# Altium PCB 六边形挂件.pcbdoc
Units mil, origin at the board's own origin, x right, y up, seen from the top; angles counter-clockwise.
Board outline 1968.5 x 1836.49 mil, 2 copper layers (Top Layer, Bottom Layer); 7 components, 0 nets, 0 pads, 1 vias.
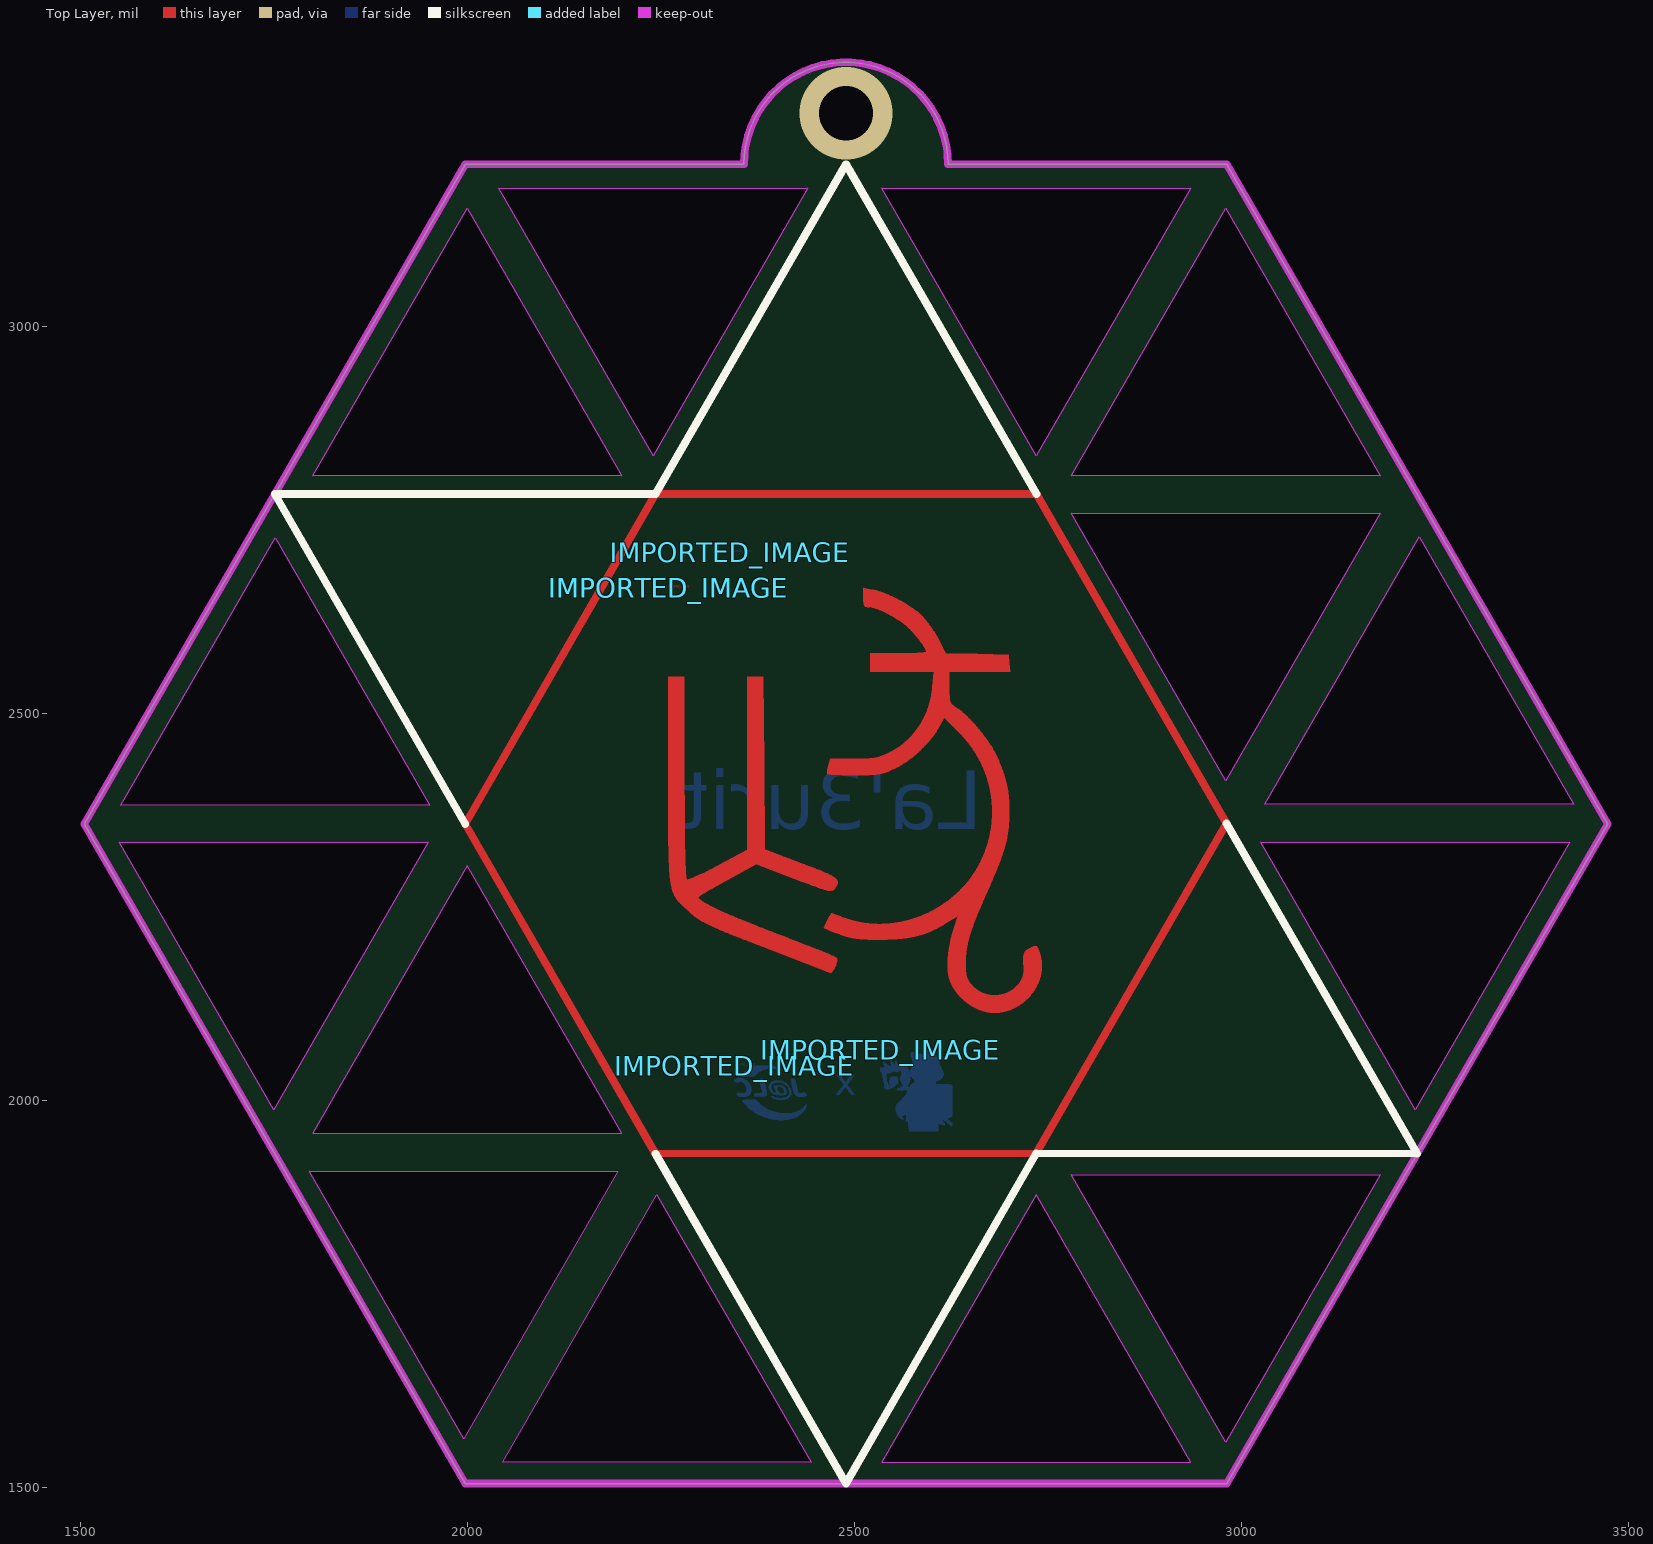
[diagram p0: Top Layer view]
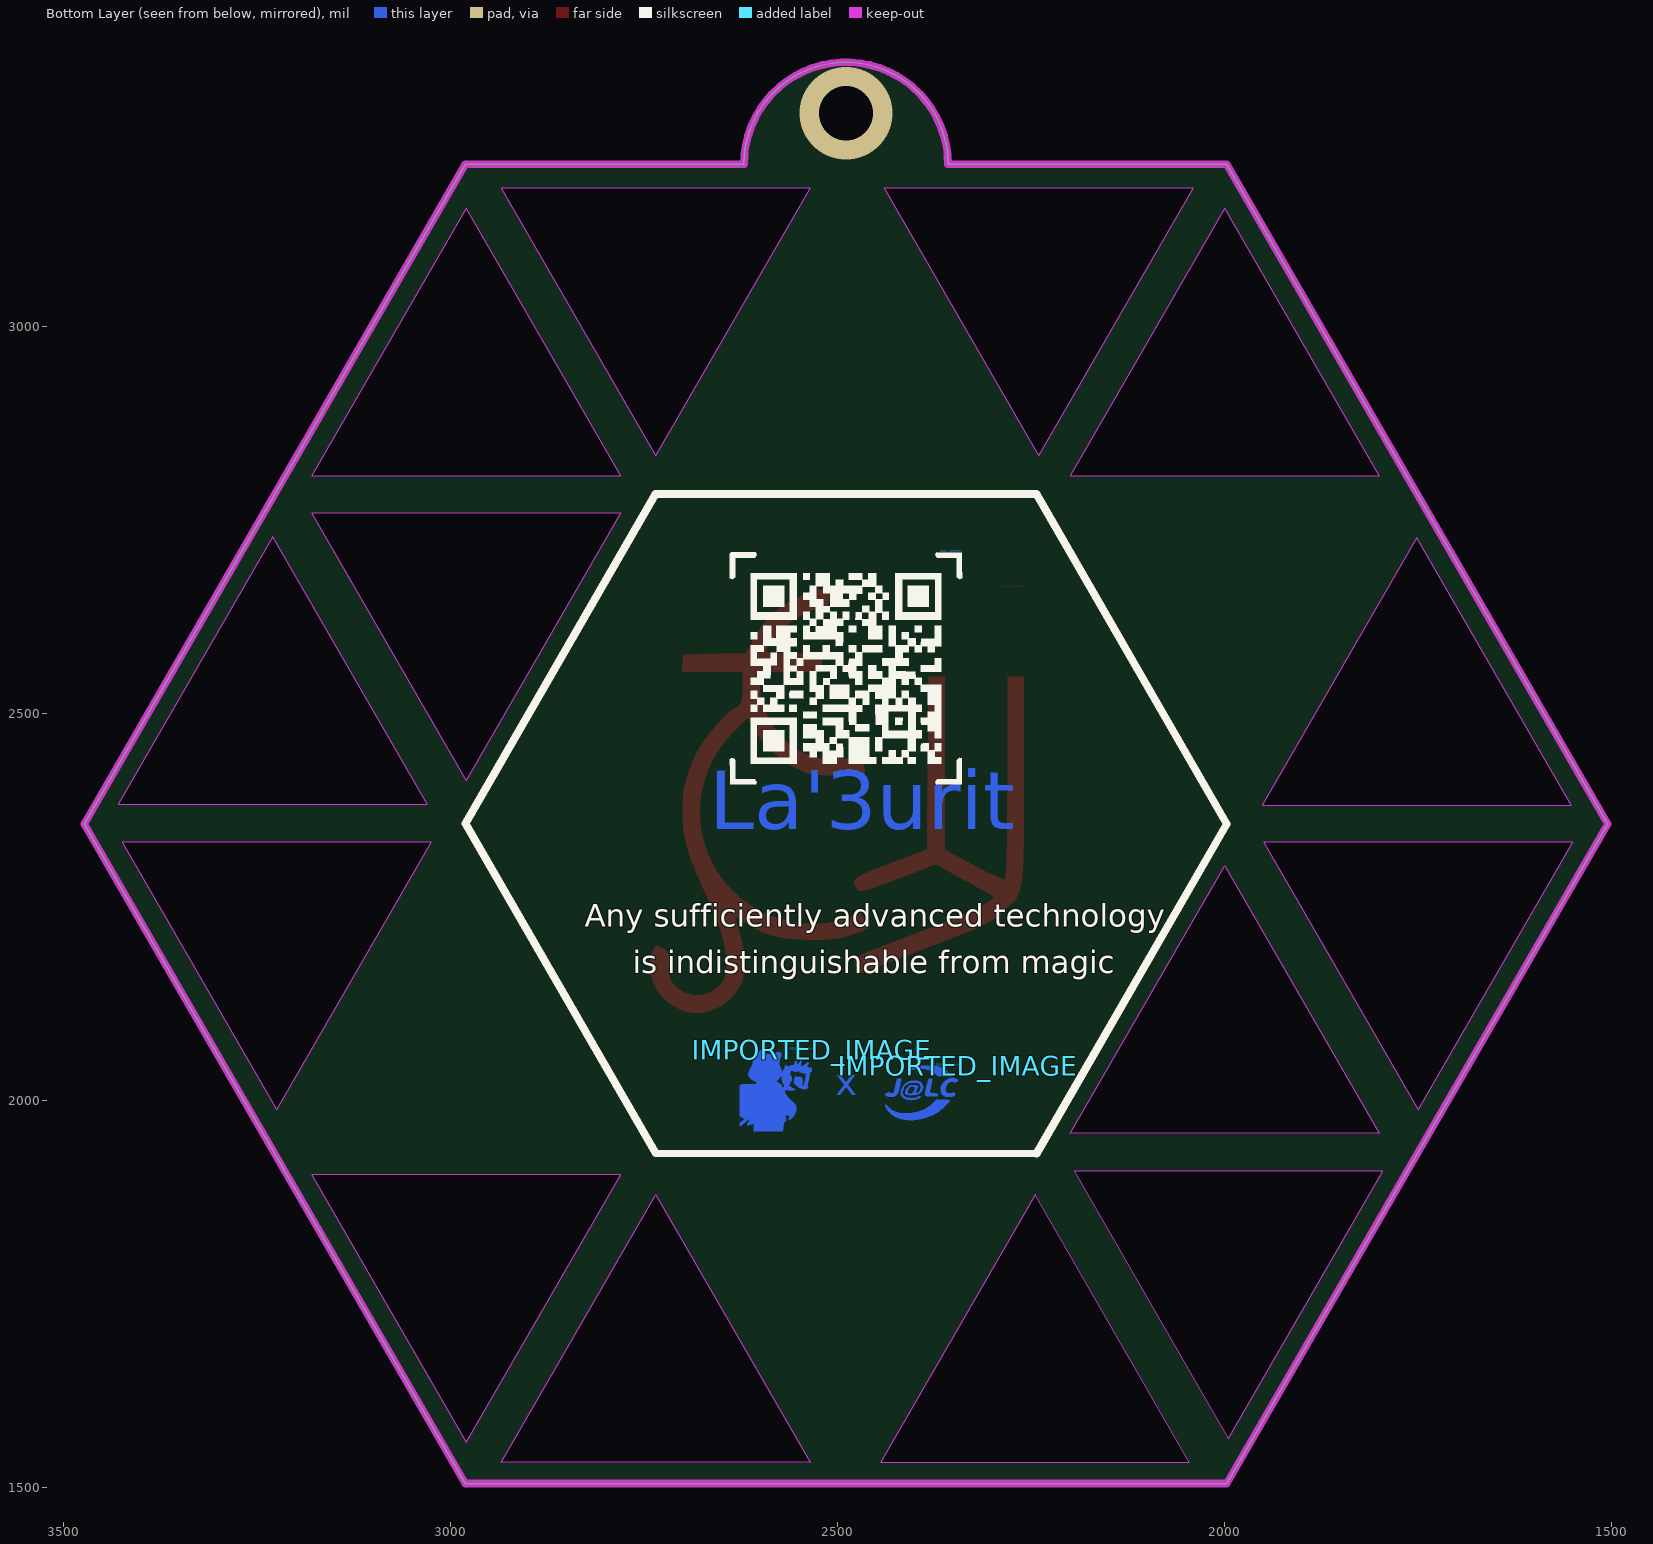
[diagram p1: Bottom Layer view, seen from below]

## Layer stack, top to bottom
Top Solder: solder mask 0.4, Solder Resist, Dk 3.5
Top Layer: signal copper 1.4
Dielectric1: dielectric 12.6, FR-4, Dk 4.8
Bottom Layer: signal copper 1.4
Bottom Solder: solder mask 0.4, Solder Resist, Dk 3.5

## Board outline
1997.13,1505 1505,2357.39 1997.13,3209.77 2357.39,3209.77 cw(c2489.25,3209.77) 2621.12,3209.77 2981.38,3209.77 3473.5,2357.39 2981.38,1505
cut-out: 1552.19,2381.76 1751.74,2727.39 1951.29,2381.76
cut-out: 1750,1988.13 1550.45,2333.77 1949.55,2333.77
cut-out: 1800.45,1957.5 2199.55,1957.5 2000,2303.14
cut-out: 1795.45,1908.77 2194.55,1908.77 1995,1563.13
cut-out: 2045.45,1532.5 2245,1878.13 2444.55,1532.5
cut-out: 2535.45,1532.5 2934.55,1532.5 2735,1878.13
cut-out: 2780.45,1903.77 3179.55,1903.77 2980,1558.13
cut-out: 3025.45,2333.77 3424.55,2333.77 3225,1988.13
cut-out: 3030.45,2382.5 3230,2728.14 3429.55,2382.5
cut-out: 2780.45,2758.77 3179.55,2758.77 2980,2413.14
cut-out: 2780.45,2807.5 2980,3153.14 3179.55,2807.5
cut-out: 2535.45,3178.77 2934.55,3178.77 2735,2833.14
cut-out: 2240,2833.14 2040.45,3178.77 2439.55,3178.77
cut-out: 1800.45,2807.5 2000,3153.14 2199.55,2807.5

## Design rules (kind name [scope] priority, off if disabled: settings)
Clearance [All] p1: gap=10
PolygonConnect [All] p1: connectstyle=Relief reliefconductorwidth=10 reliefentries=4 polygonreliefangle="90 Angle" airgapwidth=10
RoutingVias [All] p1: holewidth=28 width=50 viastyle="Through Hole" minholewidth=28 minwidth=50 maxholewidth=28 maxwidth=50
SolderMaskExpansion [All] p1: expansion=4
Width [All] p1: maxlimit=10 minlimit=10 preferedwidth=10
30 further rules are at their usual default settings.

## Components (designator, comment, footprint, x,y, rotation, side; value= is the part's Value field where it differs from the comment)
IMPORTED_IMAGE "Comment" IMPORTED_IMAGE#1 2259.49,2662.2 r0 top
IMPORTED_IMAGE "Comment" IMPORTED_IMAGE#2 2259.49,2662.2 r0 top
IMPORTED_IMAGE "Comment" IMPORTED_IMAGE#1 2533.6,2065.64 r0 top
IMPORTED_IMAGE "Comment" IMPORTED_IMAGE#1 2345,2045 r0 top
IMPORTED_IMAGE "Comment" IMPORTED_IMAGE#1 2339.19,2708.19 r0 top
IMPORTED_IMAGE "Comment" IMPORTED_IMAGE#3 2345,2045 r0 bottom
IMPORTED_IMAGE "Comment" IMPORTED_IMAGE#4 2533.6,2065.64 r0 bottom

## Footprints (in the part's own frame and the unit in brackets; to place one, negate y for a bottom-side part, rotate by r counter-clockwise, add the part's x,y. Pads: shape width x height; smd on the part's side, far side on the other; paste and mask are expansions set on the pad)
IMPORTED_IMAGE#1 [mil]
IMPORTED_IMAGE#2 [mil]
  Top Layer region: 2195 vertices and 0 holes, not listed, extent 201.21,-549 483,0
  Top Layer region: 394 vertices and 0 holes, not listed, extent 0,-497.2 219.13,-114.54
IMPORTED_IMAGE#3 [mil]
  Top Layer region: 280 vertices and 0 holes, not listed, extent 10.27,43.84 93.64,70.4
  Top Layer region: 326 vertices and 1 holes, not listed, extent 44.28,19.39 73.71,44.43
  Top Layer region: 86.07,40.49 85.24,40.5 84.42,40.46 83.63,40.38 82.88,40.26 82.19,40.09 81.56,39.88 81.01,39.63 80.34,39.23 79.73,38.8 79.17,38.32 78.64,37.77 78.16,37.14 77.7,36.41 77.26,35.56 76.84,34.58 76.43,33.45 76.03,32.16 75.62,30.69 75.2,29.03 74.77,27.15 74.32,25.04 73.83,22.7 73.32,20.09 73.22,19.56 73.14,19.09 73.08,18.68 73.05,18.32 73.04,18.02 73.05,17.75 73.1,17.53 73.18,17.35 73.29,17.2 73.44,17.08 73.63,16.99 73.86,16.93 74.13,16.88 74.44,16.86 74.8,16.84 75.21,16.84 75.72,16.85 76.23,16.9 76.7,16.98 77.14,17.08 77.53,17.21 77.85,17.35 78.09,17.5 78.25,17.67 78.38,18 78.57,18.62 78.81,19.49 79.09,20.59 79.4,21.86 79.72,23.28 80.06,24.81 80.4,26.41 80.57,27.22 80.73,28.02 80.9,28.79 81.07,29.54 81.23,30.27 81.39,30.96 81.54,31.61 81.69,32.22 81.83,32.79 81.96,33.3 82.08,33.76 82.19,34.16 82.29,34.5 82.37,34.77 82.44,34.96 82.5,35.08 82.9,35.44 83.56,35.68 84.38,35.8 85.3,35.81 86.25,35.71 87.14,35.51 87.92,35.2 88.49,34.8 89.09,34.44 89.83,34.45 90.72,34.83 91.8,35.59 92.46,36.15 92.96,36.61 93.27,36.99 93.43,37.33 93.42,37.65 93.26,37.97 92.95,38.32 92.5,38.72 92.02,39.06 91.46,39.36 90.82,39.63 90.12,39.87 89.37,40.07 88.58,40.23 87.75,40.36 86.92,40.44 86.07,40.49
  Top Layer region: 178 vertices and 0 holes, not listed, extent -0.36,15.96 21.95,40.29
  Top Layer region: 29.52,39.74 28.73,39.73 28.39,39.72 28.07,39.7 27.77,39.68 27.51,39.65 27.27,39.61 27.05,39.57 26.85,39.53 26.68,39.47 26.53,39.41 26.39,39.34 26.28,39.27 26.18,39.19 26.02,39 25.92,38.77 25.86,38.51 25.83,38.22 25.82,37.88 25.86,37.28 25.99,36.81 26.25,36.45 26.69,36.19 27.32,36.01 28.2,35.91 29.36,35.85 30.83,35.84 31.78,35.83 32.63,35.79 33.38,35.71 34.02,35.6 34.57,35.45 35.02,35.25 35.38,35 35.64,34.69 35.83,34.32 35.93,33.89 35.95,33.39 35.89,32.81 35.76,32.15 35.57,31.41 35.3,30.58 34.97,29.65 34.78,29.08 34.58,28.34 34.37,27.46 34.16,26.48 33.96,25.41 33.76,24.31 33.59,23.19 33.43,22.09 33.32,21.19 33.22,20.39 33.15,19.71 33.1,19.11 33.07,18.61 33.08,18.18 33.12,17.83 33.19,17.55 33.29,17.32 33.44,17.15 33.62,17.03 33.85,16.94 34.13,16.88 34.45,16.85 34.82,16.84 35.25,16.84 35.96,16.87 36.54,16.99 37.04,17.21 37.45,17.56 37.81,18.05 38.13,18.71 38.43,19.54 38.72,20.59 38.93,21.45 39.18,22.48 39.44,23.62 39.72,24.85 39.99,26.13 40.27,27.41 40.52,28.66 40.76,29.84 40.94,30.78 41.43,33.22 41.57,33.91 41.69,34.56 41.79,35.15 41.87,35.69 41.93,36.18 41.97,36.63 41.99,37.03 41.98,37.4 41.95,37.72 41.88,38.01 41.79,38.27 41.66,38.49 41.5,38.69 41.31,38.85 41.08,39 40.81,39.12 40.5,39.22 40.15,39.3 39.76,39.36 39.33,39.42 38.85,39.46 38.32,39.49 37.74,39.52 37.12,39.54 34.92,39.6 32.71,39.67 31.5,39.71 30.44,39.73 29.52,39.74
  Top Layer region: 16.81,13.84 15.89,13.83 15,13.82 14.14,13.81 13.32,13.78 12.53,13.75 11.79,13.72 11.1,13.68 10.46,13.64 9.88,13.59 9.36,13.54 8.9,13.48 8.52,13.42 8.22,13.36 8,13.29 7.86,13.23 7.81,13.16 8.13,12.52 8.99,11.52 10.26,10.25 11.82,8.84 13.53,7.4 15.27,6.05 16.9,4.89 18.29,4.03 18.97,3.68 19.74,3.3 20.58,2.91 21.46,2.51 22.35,2.13 23.22,1.76 24.06,1.43 24.82,1.14 25.74,0.87 26.94,0.65 28.38,0.45 30.03,0.29 31.84,0.17 33.78,0.08 35.82,0.02 37.91,0 40.03,0.01 42.12,0.06 44.17,0.15 46.13,0.27 47.96,0.42 49.63,0.61 51.1,0.83 52.34,1.09 52.85,1.23 53.37,1.37 53.89,1.51 54.4,1.66 54.91,1.82 55.42,1.98 55.92,2.14 56.41,2.31 56.89,2.48 57.35,2.65 57.81,2.82 58.25,2.99 58.68,3.16 59.09,3.33 59.48,3.5 59.86,3.67 60.21,3.83 60.54,4 60.85,4.15 61.14,4.31 61.39,4.45 61.62,4.6 61.83,4.73 62,4.86 62.14,4.98 62.25,5.09 62.33,5.2 62.37,5.29 62.37,5.38 62.34,5.45 62.26,5.51 62.15,5.57 61.39,5.64 60.19,5.54 58.72,5.29 57.15,4.91 56.21,4.67 55.26,4.46 54.29,4.28 53.3,4.13 52.3,4.02 51.29,3.94 50.27,3.88 49.24,3.86 48.21,3.86 47.18,3.89 46.15,3.95 45.12,4.04 44.09,4.15 43.08,4.29 42.07,4.46 41.07,4.65 40.09,4.87 39.12,5.11 38.17,5.38 37.24,5.67 36.33,5.99 35.45,6.32 34.59,6.68 33.77,7.06 32.97,7.47 32.21,7.89 31.48,8.34 30.8,8.8 30.15,9.28 29.54,9.79 28.98,10.31 28.47,10.85 28.01,11.36 27.58,11.81 27.18,12.2 26.78,12.54 26.38,12.83 25.95,13.07 25.47,13.27 24.94,13.43 24.34,13.56 23.65,13.66 22.86,13.73 21.95,13.78 20.9,13.81 19.71,13.83 18.35,13.83 16.81,13.84
IMPORTED_IMAGE#4 [mil]
  Top Layer region: 738 vertices and 1 holes, not listed, extent 0,-0.29 92.8,105.31

## Via types
v1: diameter 120, hole 70, Top Layer to Bottom Layer, 1 vias

## Nets (pads, with @x,y where several pads share a name; then routed paths per layer and width w, separated by ;. In a path a pad name is that pad's centre, name@x,y a point inside that pad or via, vN(x,y) a via of type N, cw(c..) or ccw(c..) an arc to the next point about the centre after c; other vN are vias at no path point)
copper on no net: | length 2951.8
  Top Layer w10: 1997.13,2357.39 2243.19,2783.58 2735.32,2783.58 2981.06,2357.93 2735,1931.74 2243.19,1931.19 1997.13,2357.39
  other v1: 2489.25,3275.7

## Keep-outs
Keep-Out Layer:
  the board outline again, w10

## Other copper
Bottom Layer:
  text "La'3urit" at 2666.21,2325 h130
  text "x" at 2475,1995 h60

## Silkscreen, mask and mechanical layers (free items; w line width, h text height)
Top Overlay:
  lines w10: 1997.13,2357.39 1751.06,2783.58 2243.19,2783.58 2489.25,3209.77 2735.32,2783.58 ; 2243.19,1931.19 2489.25,1505 2735,1931.74 3227.44,1931.19 2981.06,2357.93
Bottom Overlay:
  lines w10: 1997.13,2357.39 2243.19,2783.58 2735.32,2783.58 2981.06,2357.93 2735,1931.74 2243.19,1931.19 1997.13,2357.39
  text "Any sufficiently advanced technology" at 2826.69,2215 h50
  text "is indistinguishable from magic" at 2764.89,2155 h50
Top Solder:
  lines w10: 1997.13,2357.39 2243.19,1931.19 2735,1931.74 2981.06,2357.93 2735.32,2783.58 2243.19,2783.58 1997.13,2357.39
Bottom Solder:
  text "La'3urit" at 2666.21,2325 h130
  text "x" at 2475,1995 h60
Mechanical 1:
  lines w0.5: 2480,2368.14 2482,2370.14
Document:
  lines w10: 2357.39,3209.77 cw(c2489.25,3209.77) 2621.12,3209.77 ; 2357.39,3209.77 1997.13,3209.77 1505,2357.39 1997.13,1505 2981.38,1505 3473.5,2357.39 2981.38,3209.77 2621.12,3209.77 ; 2357.39,3209.77 2621.12,3209.77 ; 1550.45,2333.77 1949.55,2333.77 1750,1988.13 1550.45,2333.77 ; 1552.19,2381.76 1951.29,2381.76 1751.74,2727.39 1552.19,2381.76 ; 1795.45,1908.77 2194.55,1908.77 1995,1563.13 1795.45,1908.77 ; 1800.45,1957.5 2199.55,1957.5 2000,2303.14 1800.45,1957.5 ; 1800.45,2807.5 2199.55,2807.5 2000,3153.14 1800.45,2807.5 ; 2040.45,3178.77 2439.55,3178.77 2240,2833.14 2040.45,3178.77 ; 2045.45,1532.5 2444.55,1532.5 2245,1878.13 2045.45,1532.5 ; 2535.45,1532.5 2934.55,1532.5 2735,1878.13 2535.45,1532.5 ; 2535.45,3178.77 2934.55,3178.77 2735,2833.14 2535.45,3178.77 ; 2780.45,1903.77 3179.55,1903.77 2980,1558.13 2780.45,1903.77 ; 2780.45,2758.77 3179.55,2758.77 2980,2413.14 2780.45,2758.77 ; 2780.45,2807.5 3179.55,2807.5 2980,3153.14 2780.45,2807.5 ; 3025.45,2333.77 3424.55,2333.77 3225,1988.13 3025.45,2333.77 ; 3030.45,2382.5 3429.55,2382.5 3230,2728.14 3030.45,2382.5